# KiCad board labathome_pcb15.kicad_pcb (continued)
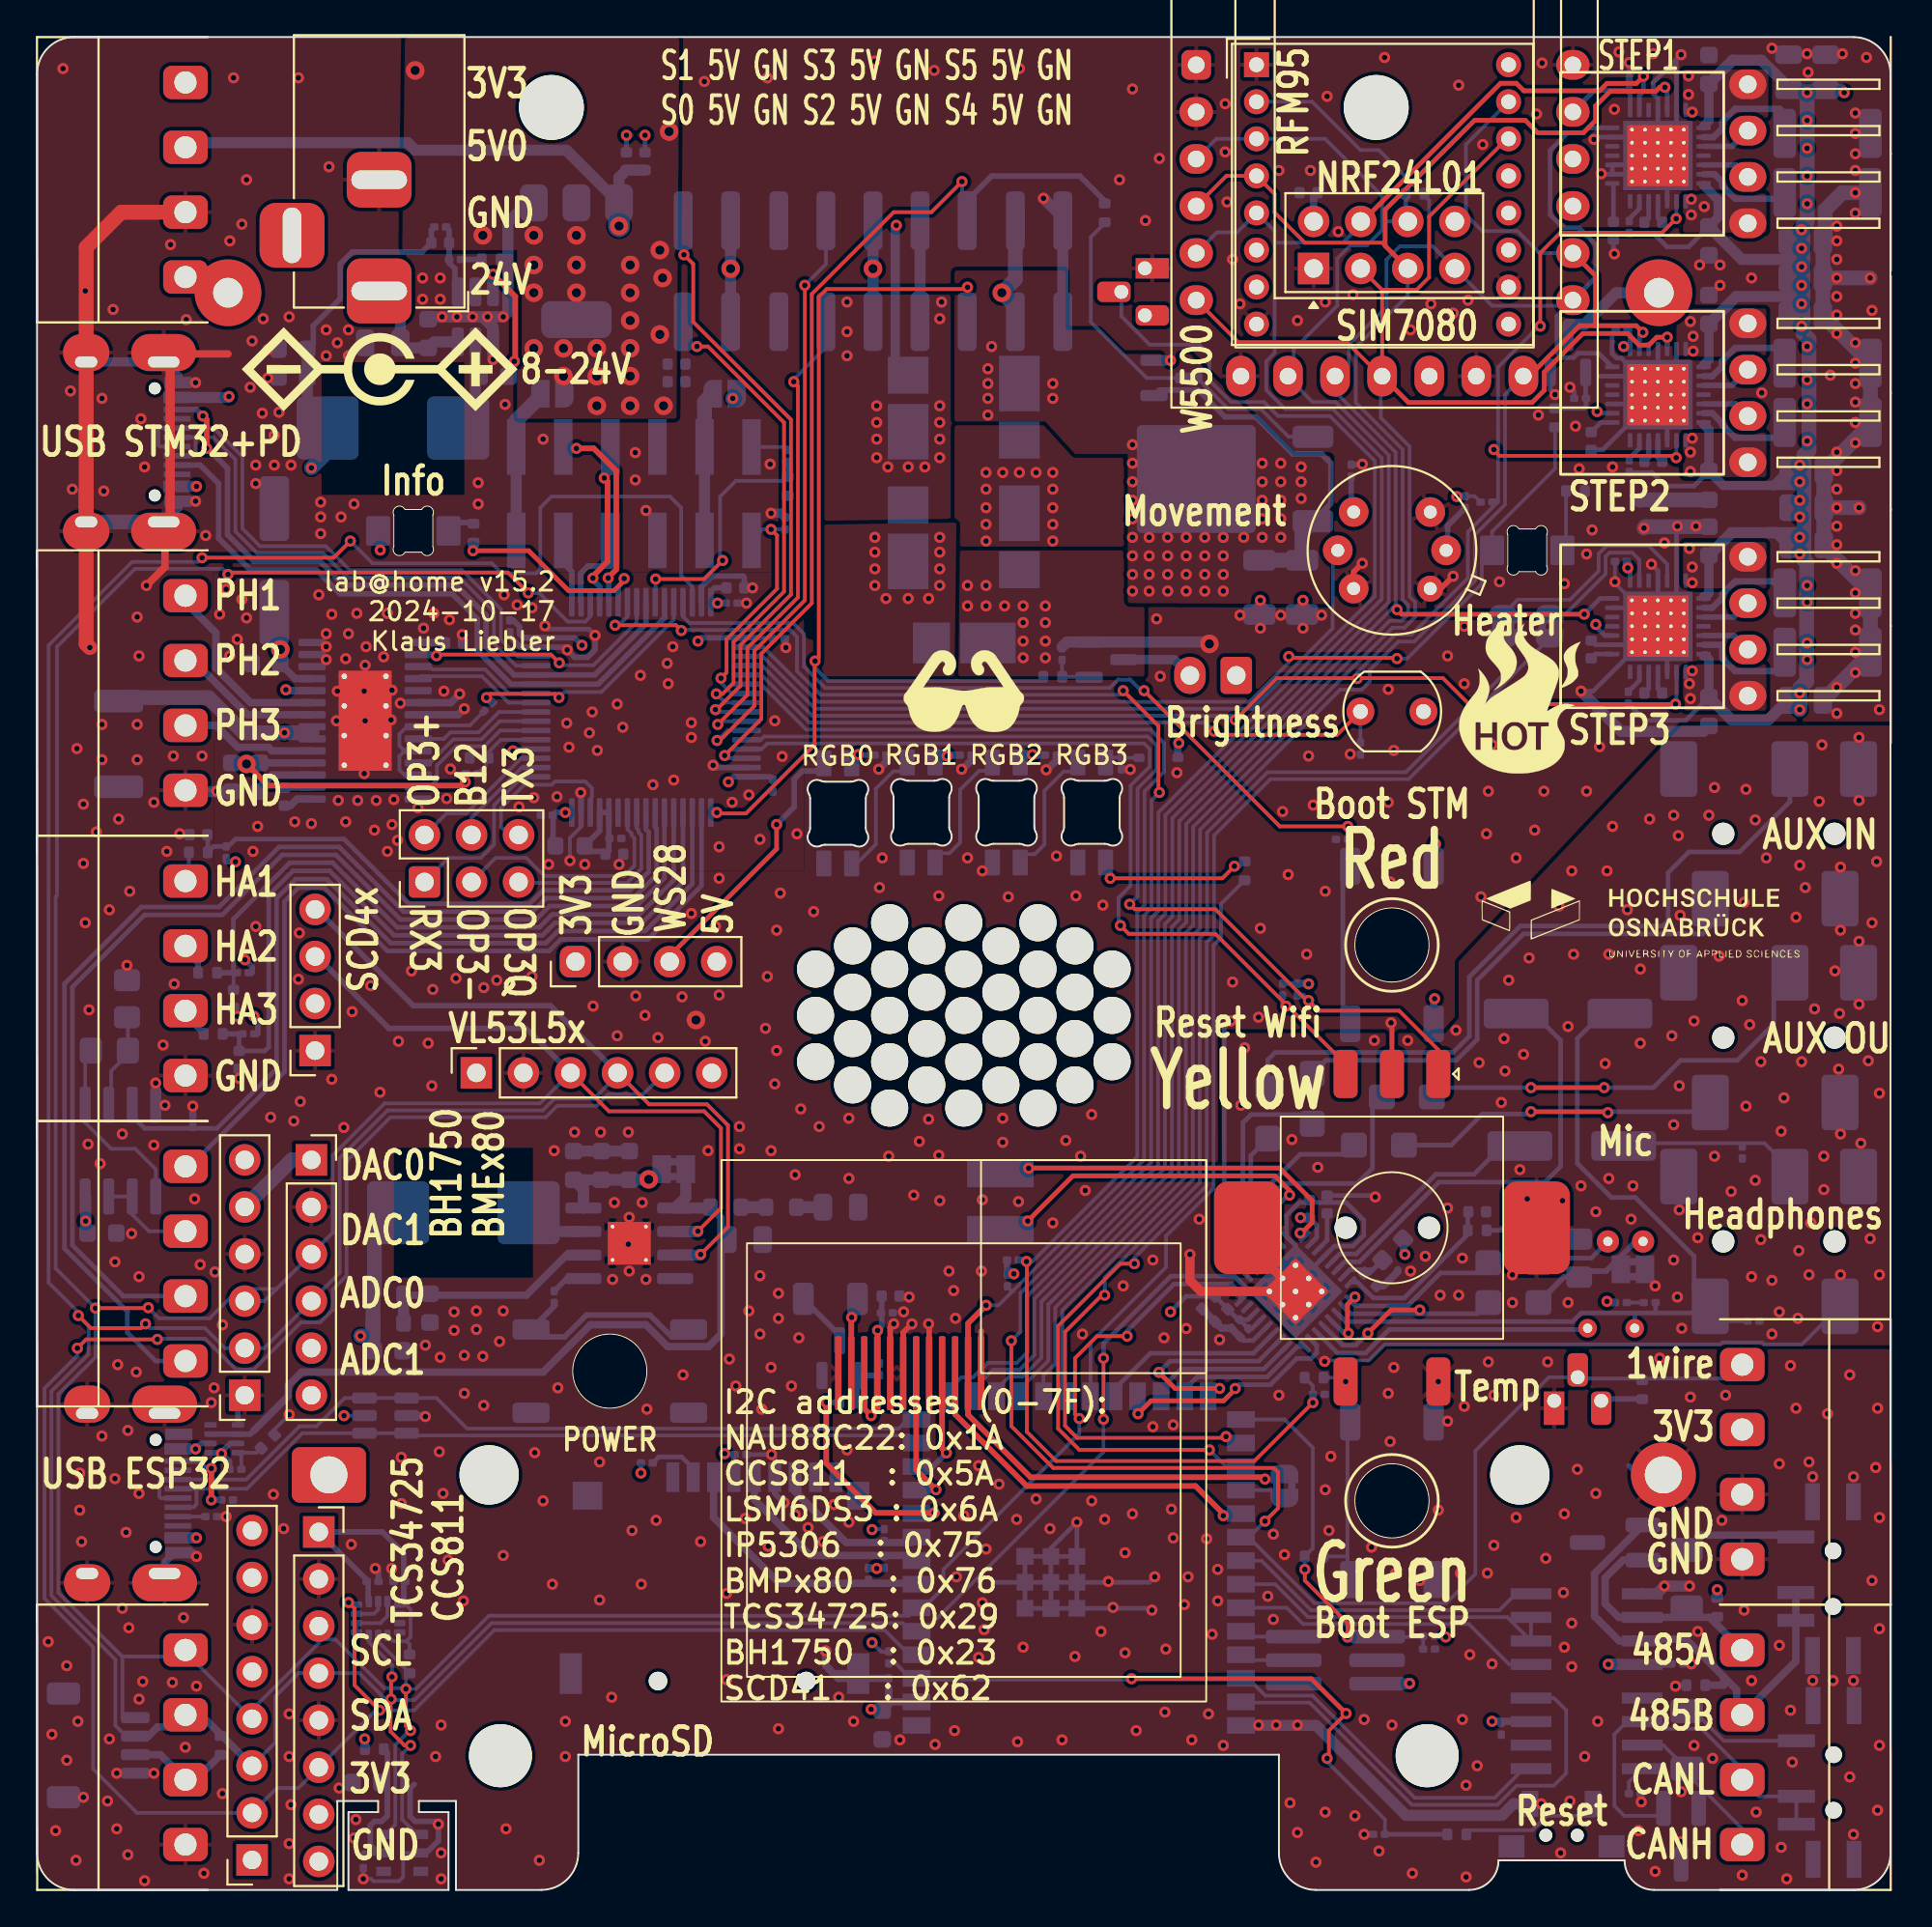
[diagram p0: board, top side]
## Routing (per net, layer and track width the routed paths; a pad name or vN(x,y) marks a point on that pad's centre or on a via; arc(x,y) is an arc through that point) (continued)
485_DE: length 18.2
  Bottom w0.2: U1.3 U1.2 79.31,14.72 68.57,14.72 66.8,16.5 U4.34
485_DI: length 16.3
  Bottom w0.2: U4.33 66.06,17.77 68.73,15.1 78.9,15.1 79.78,15.98
485_RO: length 16.1
  Bottom w0.2: 79.83,12.17 79.43,12.17 77.25,14.35 68.3,14.35 67.42,15.23 U4.35
/actors/D9_COOL:
  vias: v1(51.3,82.1) v1(51.3,81.3) v1(51.3,80.5) v1(51.3,79.6) v1(51.5,83.3) v1(54.8,81.3) v1(54.8,80.5) v1(59.1,78) v1(59.1,77) v1(59.1,76) v1(59.1,75) v1(59.1,74) v1(59.1,73) v1(59.1,72) v1(59.1,71) v1(59.1,70.1) v1(60,73) v1(60,72) v1(60,71) v1(60,70.1) v1(61,73) v1(61,72) v1(61,71) v1(61,70.1) v1(62,73) v1(62,72) v1(62,71) v1(62,70.1) v1(63,73) v1(63,72) v1(63,71) v1(63,70.1) v1(64,73) v1(64,72) v1(64,71) v1(64,70.1) v1(65.1,73) v1(66.1,77) v1(66.1,76) v1(66.1,75) v1(66.1,74) v1(66.1,73) v1(67.1,77) v1(67.1,76) v1(67.1,75) v1(67.1,74) v1(67.1,73) v1(68.2,76.8) v1(68.2,76) v1(68.2,75.1)
/actors/D10_COOL:
  vias: v1(45.2,73) v1(45.2,72.2) v1(45.2,71.3) v1(45.2,70.4) v1(45.8,69.7) v1(47,69.7) v1(48.1,69.7) v1(48.7,73) v1(48.7,72.2) v1(48.7,71.3) v1(48.7,70.4)
/actors/D11_COOL:
  vias: v1(50.2,70.4) v1(50.2,69.3) v1(51.2,70.4) v1(51.2,69.3) v1(52.2,69.3) v1(53.2,69.3) v1(53.2,68.4) v1(53.2,67.4) v1(53.2,66.5) v1(54.4,69.3) v1(54.4,68.4) v1(54.4,67.4) v1(54.4,66.5)
/actors/D12_COOL:
  vias: v1(43.7,85.7) v1(43.7,84.1) v1(43.7,82.8) v1(45.3,80.1) v1(45.3,79.2) v1(45.3,78.3) v1(45.3,77.3) v1(45.9,76.8) v1(47,76.8) v1(47.9,76.8) v1(48.7,84.8) v1(48.7,80.1) v1(48.7,79.2) v1(48.7,78.3) v1(48.7,77.3) v1(48.8,85.7)
/actors/D13_COOL:
  vias: v1(51.2,76.5) v1(51.2,75.6) v1(51.2,74.6) v1(51.2,73.7) v1(51.2,72.8) v1(52.1,76.5) v1(53,76.5) v1(53.9,76.5) v1(54.8,76.5) v1(54.8,75.6) v1(54.8,74.6) v1(54.8,73.7) v1(54.8,72.8)
/audioamplifier/JACK_DETECT: length 41.6
  Bottom w0.2: R27.1 91.07,30.7
  Bottom w0.25: 86.2,31.14 83.31,31.14 82.85,30.67 70.59,30.67 U10.3 ; 86.2,31.14 86.19,31.14 TP1.1 ; 86.2,31.14 87.3,31.14 ; 87.3,31.14 89.91,31.14 ; 87.3,31.14 87.32,31.16 R25.2 ; 84.45,47.3 83.1,45.95 83.1,39.22 84.94,37.38 86.22,37.38 89.4,34.2 89.4,32.38
/psu/BOOT: length 7.1
  Top w0.3: v1(24.6,87.2) 25.8,86 25.8,82.55 v1(25.75,82.5)
  Bottom w0.3: v1(25.75,82.5) 25.75,82.03 25.42,81.7 ; v1(24.6,87.2) U27.6
/psu/FB: length 3.5
  Bottom w0.3: 22.55,86.4 22.55,87.49 22.23,87.81 R60.2 C82.1 22.23,89.59 R59.2
/psu/SW: length 3.7
  Bottom w0.6: U27.2 23.65,79.83
ADC0: length 62
  Bottom w0.25: J27.3 4.65,32.05 1.91,34.8 1.91,48.73 5.8,52.62 9.99,52.62 13.23,55.86 16.12,55.86 19.61,52.38 26.92,52.38 27.65,53.1 32.35,53.1 33.85,54.6 U5.22
ADC1: length 64.7
  Bottom w0.25: J27.4 6.4,28.55 4.88,30.07 4.88,31.22 1.48,34.62 1.48,48.9 5.63,53.05 9.82,53.05 13.06,56.29 16.3,56.29 19.79,52.8 26.74,52.8 27.47,53.53 32.17,53.53 33.43,54.78 33.43,57.27 33.35,57.34 U5.23
BL_DRV1: length 7.5
  Bottom w0.2: 21.18,59.53 21.58,59.92 21.58,60.69 22.61,61.72 24.14,61.72 24.99,62.58 U5.38
BL_DRV2: length 6.7
  Bottom w0.2: 21.18,60.83 22.46,62.1 23.98,62.1 24.96,63.08 U5.39
BL_DRV3: length 7
  Bottom w0.2: U5.40 24.92,63.58 23.83,62.47 22.3,62.47 21.95,62.12 U3.23
BL_ENABLE: length 8.4
  Bottom w0.2: 19.83,61.47 19.55,61.2 19.55,60.45 19.83,60.17 U3.26 ; 19.83,61.47 19.55,61.75 19.55,62.38 19.94,62.78 ; 19.83,61.47 U3.24 ; R63.2 23.35,62.85 20.64,62.85
BL_ENABLEx: length 13.3
  Top w0.2: v1(24.25,64.35) 24.45,64.55 27.96,64.55 v1(28.16,64.36)
  Bottom w0.2: v1(24.25,64.35) 24.53,64.08 ; U5.60 34.35,68.56 30.44,64.65 28.45,64.65 v1(28.16,64.36)
BL_FAULT: length 7
  Bottom w0.2: U5.41 25.44,64.08 24.01,65.5 20.69,65.5 U3.18
BL_HALL1: length 30.4
  Bottom w0.25: 10.25,56.27 10.7,56.72 16.56,56.72 20.05,53.22 26.57,53.22 27.29,53.95 32,53.95 33,54.95 33,57.09 32.85,57.24 U5.24 ; R17.2 9.53,56.32 R16.2 9.21,56.92
BL_HALL2: length 35.9
  Bottom w0.2: C9.1 10.6,49.49
  Bottom w0.25: U5.21 34.35,54.5 32.5,52.65 27.8,52.65 27.1,51.95 19.43,51.95 15.94,55.44 13.64,55.44 10.59,52.39 10.59,49.5
  Bottom w0.3: R14.2 10.59,49.5
BL_HALL3: length 40.9
  Bottom w0.25: 10.9,46.19 C10.1 12.28,45.28 12.5,45.5 12.5,53.7 13.8,55 15.78,55 19.26,51.53 27.27,51.53 27.95,52.2 32.65,52.2 34.85,54.4 U5.20
  Bottom w0.3: R10.2 10.89,46.2
BL_ISENSE: length 29.5
  In2.Cu w0.2: v1(25.67,61.47) 25.56,61.59 14.21,61.59 v1(13.35,62.45)
  In2.Cu w0.6: v1(13.35,62.45) 13.35,64.7 v1(13.42,64.78)
  Bottom w0.2: U5.36 25.77,61.58 v1(25.67,61.47)
  Bottom w0.4: 14.84,62.78 U3.6 ; v1(13.42,64.78) 13.47,64.72 U3.10
  Bottom w0.8: 4.61,64.35 9.25,64.35 11.15,62.45 v1(13.35,62.45) 14.84,62.45
BL_RESET: length 14.1
  Top w0.2: v1(28.17,66.22) 27.72,66.67 21.61,66.67 v1(21.55,66.61)
  Bottom w0.2: U3.16 21.49,66.67 v1(21.55,66.61) ; U5.56 32.35,68.43 30.02,66.1 28.3,66.1 v1(28.17,66.22)
BL_SLEEP: length 6.3
  Bottom w0.2: U5.42 25.47,64.58 24.17,65.88 21.33,65.88 21.18,66.03
BRIGHTNESS: length 36.6
  Top w0.2: v1(63.51,62.53) 63.7,62.34 70.14,62.34 71.35,63.55
  Bottom w0.2: U5.5 39.08,65.58 40.44,64.21 40.45,64.21 41.66,63 63.04,63 v1(63.51,62.53) ; R11.1 R32.2
BTN_GRN: length 20.5
  Top w0.2: v1(70.7,13.65) 70.7,14.4 68.4,16.7 v1(68.4,17.3)
  Bottom w0.2: v1(70.7,13.65) 70.72,13.67 J6.6 ; 74.73,13.65 72.37,13.65 ; U4.27 67.31,25.39 68.83,23.87 68.83,18.44 R40.1 68.39,17.31 v1(68.4,17.3) ; C53.2 R41.2
BTN_RED: length 52.4
  Top w0.2: v1(70.72,57.4) 67.05,57.4 v1(59.72,64.72)
  Bottom w0.2: v1(70.72,57.4) R39.1 ; v1(59.72,64.72) 59.57,64.72 58.97,65.33 58.32,65.33 57.88,64.88 42.53,64.88 41.38,66.03 41.38,67.79 40.79,68.38 35.2,68.38 34.85,68.73 U5.61
  Bottom w0.25: 70.45,47.15 70.45,54.85 ; R39.1 70.82,56.6 70.82,55.48
BTN_YEL: length 83.6
  Top w0.2: v1(53.38,33.92) 53.4,33.9 53.4,24.73 54.98,23.15 65.68,23.15 v1(68.83,26.3)
  Bottom w0.2: v1(53.38,33.92) 53.7,33.92 59.35,39.57 59.35,52.76 59.75,53.15 59.75,59.29 60.8,60.34 60.8,61.9 60.07,62.62 41.5,62.62 39.05,65.08 U5.6 ; R66.2 68.83,27.21 C40.2 v1(68.83,26.3)
  Bottom w0.3: v1(53.38,33.92) 53.3,34 R67.2
CAN_RX: length 25.1
  Bottom w0.2: 64.99,10.11 68.66,10.11 74.17,4.6 78.8,4.6 79.82,5.62 81.82,5.62 82.5,6.3 82.5,9.7 81.84,10.35 81.54,10.35
CAN_TX: length 18.1
  Bottom w0.2: 65.4,11.35 66.26,10.49 68.81,10.49 74.32,4.97 78.64,4.97 80.21,6.54
CANH: length 8
  Bottom w0.2: U7.7 87.74,7.81 R46.2 ; J15.1 92,3.3 89,6.3
CANL: length 18.2
  Bottom w0.2: 87.51,9.09 87.9,8.7 89.8,8.7 92,6.5 ; D3.1 87.35,4 85.64,4 85.1,4.54 85.1,8.4 85.78,9.09 ; SW3.3 SW3.2 92.9,5.05 J15.2
DAC0: length 46
  Bottom w0.25: 8.25,39.05 13.35,44.15 13.35,53.35 14.1,54.09 15.49,54.09 18.91,50.67 27.62,50.67 28.25,51.3 32.95,51.3 35.85,54.2 U5.18
DAC1: length 48.1
  Bottom w0.25: 5.14,41.77 5.8,41.1 9.7,41.1 12.92,44.33 12.92,53.52 13.95,54.55 15.63,54.55 19.08,51.1 27.45,51.1 28.1,51.75 32.8,51.75 35.35,54.3 U5.19
DAC1x: length 5.5
  Bottom w0.2: J27.2 6.04,35.55 5.14,36.45 5.14,37.42 3.86,37.42
EXT_CLK: length 111
  Top w0.2: U15.5 72.57,88.9 68.4,88.9 66.77,90.53 66.77,91.53 U6.4 64.17,92.51 M1.4
  Top w0.25: v1(87.83,97.29) 87.55,97.29 87.33,97.08 84.88,97.08 84.09,96.28 84.09,95.49 83.43,94.84 80.97,94.84 80.29,95.51 77.56,95.51 72.73,90.68 72.73,88.73 U15.5
  Bottom w0.2: 53.03,27.03 54.56,28.56 54.56,31.59 ; 54.96,31.99 54.56,31.59 ; 54.96,31.99 54.56,31.59 ; 54.96,31.99 61.6,38.64 61.6,51.82 62,52.22 62,57.53 72.1,67.63 72.11,67.63 72.97,68.5 73.62,68.5 73.97,68.85 73.97,69.35 73.68,69.64 73.68,77.75 71.15,80.27 71.15,83.25 73.96,86.06 U15.5
  Bottom w0.25: v1(87.83,97.29) 87.95,97.17 U14.19
EXT_CS: length 108.9
  Top w0.25: v1(86.67,97.88) 86.29,97.5 84.7,97.5 84.3,97.1 80.21,97.1 79.81,97.51 78.96,97.51 71.5,90.05
  Bottom w0.2: 71.41,89.87 70.45,88.9 66.87,88.9 66.77,89 ; 66.77,89 66.77,89.53 U6.5 64.74,89.46 63.66,89.46 M1.5 ; 66.77,89 66.77,82.95 66.32,82.5 66.32,80.94 67.34,79.92 69.91,79.92 72.55,77.28 72.55,69.67 71.64,68.76 71.63,68.76 60.88,58 60.88,52.69 60.48,52.29 60.48,39.1 53.44,32.06 53.44,29.03 52.86,28.45 51.28,28.45 50.5,27.67 49.87,27.67 49.32,27.12
  Bottom w0.25: v1(86.67,97.88) 86.67,97.06 86.45,96.84 U14.16
EXT_IO1: length 113.7
  Top w0.2: X3.4 72.57,86.36 72.56,86.36 ; 79.3,94.51 75.1,90.31 75.1,87.03 74.43,86.36 72.56,86.36 ; 72.5,81.7 70.67,83.53 64.81,83.53 M1.6 ; 72.56,86.36 U15.3
  Top w0.25: v1(87.95,83.8) 87.38,83.8 86.96,83.38 86.44,83.38 85.82,84 83.4,84 81.31,81.92 81.31,80.93 80.66,80.28 74,80.28 X3.4
  Bottom w0.2: 72.5,81.7 72.5,79.45 74.05,77.9 74.05,69.8 74.35,69.5 74.35,68.69 73.78,68.12 73.13,68.12 72.26,67.26 72.26,67.26 62.38,57.38 62.38,52.06 61.98,51.67 61.98,38.48 54.94,31.44 54.94,28.41 54.29,27.76 U4.19
  Bottom w0.25: v1(87.95,83.8) U19.19
EXT_IO2: length 92.8
  Top w0.25: 84,84.42 84.09,84.51 84.09,87.12 M1.8 ; 84,84.42 83.22,84.42 80.5,81.7 ; 84,84.42 86.28,84.42 v1(86.64,84.06)
  Bottom w0.2: X3.7 79.2,80.71 79.2,74.77 77.57,73.14 77.57,70.64 74.3,67.37 73.44,67.37 71.9,65.83 71.9,65.21 71.47,64.78 70.3,64.78 62.75,57.22 62.75,51.91 62.35,51.51 62.35,38.33 55.31,31.28 55.31,26.89 ; U6.15 77.09,94.2 77.09,90.41 77.97,89.53 79.87,89.53 81.06,88.34 M1.8
  Bottom w0.25: U19.16 86.45,83.88 v1(86.64,84.06)
EXT_MISO: length 133.2
  Top w0.25: v1(73.37,69.1) 73.62,68.85 v1(83.47,68.85)
  Bottom w0.2: 82.56,85.5 78.51,85.5 U15.7 75.34,88.66 ; 73.3,69.55 73.3,77.59 70.22,80.67 70.11,80.67 70.11,81.7 ; 73.3,69.55 73.3,69.17 v1(73.37,69.1) ; 73.3,69.55 73.3,69.36 71.95,68.01 71.95,68.01 61.62,57.69 61.62,52.37 61.23,51.98 61.23,38.79 54.37,31.93 ; 75,88.71 73.53,88.71 72.81,87.99 72.81,85.44 70.78,83.41 70.78,82.22 70.25,81.7 ; 75,88.71 75.1,88.81 75.1,91.19 72.39,93.9 71.4,93.9 68.79,96.51 U6.2 ; 75,88.71 75.29,88.71 76.44,87.56 ; 54.19,31.75 54.37,31.93 ; 54.19,31.75 54.37,31.93 ; 54.19,31.75 54.19,28.72 53.17,27.7 52.45,27.7 51.75,27
  Bottom w0.25: U19.14 84.25,82.94 83.14,82.94 82.9,82.7 82.3,82.7 82,83 82,84.94 M1.7 84.09,87.03 84.09,88.81 83.19,89.7 82.35,89.7 81.63,90.41 81.63,93.89 82.58,94.84 83.43,94.84 83.69,95.1 U14.14 ; U20.14 84.32,69.7 v1(83.47,68.85)
EXT_MOSI: length 94.4
  Bottom w0.2: 67.42,81.7 68.82,80.3 70.06,80.3 72.93,77.44 72.93,69.51 71.8,68.38 71.79,68.38 61.25,57.84 61.25,52.53 60.85,52.13 60.85,38.95 53.81,31.9 53.81,28.87 53.01,28.08 51.57,28.08 50.62,27.12 ; 72.56,90.1 72.56,91.44 69.49,94.51 63.63,94.51 M1.3 ; 72.56,90.1 72.56,89.57 71.74,88.75 70.85,88.75 70.15,88.05 70.15,85.5 67.8,83.15 67.8,81.7 ; 72.56,90.1 72.61,90.05 U15.6
  Bottom w0.25: R22.1 73.84,90.17
FAN_DRIVE: length 54.6
  Top w0.2: v1(36.68,58.15) 36.72,58.1 38.25,58.1 41.95,61.8 41.95,66.3 v1(41.97,66.32) 42.18,66.52 42.18,85.97 42.6,86.4 50.1,86.4 v1(50.2,86.5)
  Bottom w0.2: v1(41.97,66.32) 41.97,65.96 42.68,65.25 54.06,65.25 R35.2 ; U5.17 v1(36.68,58.15) ; v1(50.2,86.5) 50.2,84.66
HEATER: length 54.6
  Top w0.2: v1(73.37,66.46) 73.33,66.5 67.6,66.5 v1(67.53,66.57)
  Bottom w0.2: v1(73.37,66.46) 73.92,66.46 77.95,70.49 77.95,71.75 D14.2 ; D14.2 78.5,73.31 81.9,76.71 R30.2 ; D14.2 78.5,71.62 ; v1(67.53,66.57) 67.53,66.25 65.41,64.12 42.13,64.12 39.18,67.08 U5.2
HEATER_SW: length 6.3
  Bottom w0.6: R33.2 85.2,86.2 83.5,84.5 82.6,84.5 Q2.3
I2C_IRQ: length 124.7
  Top w0.2: v1(18.47,9.7) 17.12,11.05 17.12,15.2 v1(16.81,15.51) ; v1(2.17,29.24) 2.65,29.71 v1(6.49,29.71)
  Bottom w0.2: 15.2,6.6 14.1,5.5 12.94,5.5 J12.2 5.39,4.16 3.03,6.53 3.03,13.11 0.4,15.73 0.4,27.07 2.17,28.84 v1(2.17,29.24) ; v1(16.81,15.51) 16.92,15.4 U9.4 ; v1(6.49,29.71) 6.53,29.75 9.07,29.75 9.5,29.32 9.5,29.31 10.72,28.09 11.69,28.09 14.23,30.63 15.28,30.63 15.95,31.3 15.95,32.4 16.7,33.15 16.7,39.34 19.06,41.7 27.44,41.7 28.07,42.33 30.2,42.33 30.82,42.95 32.71,42.95 J23.5 ; 47.06,12.69 45.72,14.03 24.67,14.03 20.34,9.7 v1(18.47,9.7) 18.28,9.7 J20.6
I2S_ADC: length 7.5
  Bottom w0.25: 60.77,27.17 61.72,28.11 66.19,28.11 U10.9
I2S_BCLK: length 7.3
  Bottom w0.25: 62.01,27.11 62.59,27.69 66.37,27.69 68.01,29.33 U10.8
I2S_DAC: length 11.7
  Top w0.25: v1(63.8,27.06) 61.4,27.06 v1(60.53,27.94)
  Bottom w0.25: v1(63.8,27.06) 63.61,27.06 U4.26 ; v1(60.53,27.94) 61.13,28.54 65.91,28.54 U10.10
I2S_FS: length 12.8
  Top w0.25: v1(59.4,25.7) 60.1,26.4 64.02,26.4 64.64,27.02 v1(64.64,27.06)
  Bottom w0.25: v1(64.64,27.06) 64.84,27.27 66.54,27.27 67.96,28.68 68.74,28.68 69.04,28.99 69.04,29.39 U10.7 ; v1(59.4,25.7) 59.4,26.61
I2S_MCLK: length 9.6
  Bottom w0.25: U10.11 65.63,28.97 60.06,28.97 58.27,27.17
LCD_BACKLIGHT: length 11.9
  Top w0.3: v1(42.58,26.32) 42.58,23.02 45.25,20.35 v1(48.4,20.35)
  Bottom w0.3: v1(48.4,20.35) 47.49,20.35 ; R74.2 42.6,26.3 v1(42.58,26.32)
LCD_CLK: length 6.3
  Top w0.3: v1(49.06,23.59) 48.83,23.82 X2.9
  Bottom w0.3: v1(49.06,23.59) 48.32,22.85 U4.12
LCD_DAT: length 20
  Top w0.3: v1(64,20.2) 64,20.3 62.5,21.8 53.4,21.8 49.53,25.67 X2.10
  Bottom w0.2: 64.94,20.3 64.1,20.3 v1(64,20.2)
LCD_DC: length 8.8
  Top w0.3: v1(48.5,21.6) 47.43,22.67 X2.7
  Bottom w0.2: v1(48.5,21.6) 47.47,21.6
  Bottom w0.3: U4.11 48.48,21.58 v1(48.5,21.6)
LCD_RES: length 95.4
  Top w0.2: v1(34.76,67.97) 34.47,68.26 v1(31.19,68.26) ; v1(58.6,64.72) 60.5,62.83 60.5,59.28 v1(60.55,59.23)
  Top w0.3: v1(66.25,22.17) 66.15,22.28 53.6,22.28 50.23,25.64 X2.11 50.23,30.58 v1(51.2,31.55)
  Bottom w0.2: v1(58.6,64.72) 58.38,64.5 42.29,64.5 41,65.79 41,67.63 40.63,68 34.79,68 v1(34.76,67.97) ; 52.35,32.55 52.61,32.29 ; 52.61,32.29 52.69,32.37 52.69,32.37 59.73,39.41 59.73,52.6 60.12,53 60.12,58.81 v1(60.55,59.23) ; 52.61,32.29 51.87,31.55 v1(51.2,31.55) ; U5.55 31.85,68.73 31.38,68.26 v1(31.19,68.26) ; v1(66.25,22.17) 67.43,22.17
LED_INFO: length 10.8
  Top w0.25: v1(23.52,72.28) 26.52,72.28 28.68,70.12 31.12,70.12 31.68,70.67 v1(31.68,70.78)
  Bottom w0.25: v1(31.68,70.78) 31.68,70.63 31.35,70.31 U5.54
LED_RGB: length 31.3
  Bottom w0.2: R70.2 63.88,53.22 63.88,51.39 63.48,50.99 63.48,37.86 60.91,35.29 60.91,33.61 56.84,29.53 56.84,26.64
LED_WHITE_P: length 49.8
  Top w0.2: v1(37.1,61.22) 39.07,63.2 39.07,66.72 41.8,69.45 41.8,86.13 46.22,90.55 48.25,90.55 v1(49.9,92.2)
  Bottom w0.2: U5.14 37.25,61.08 v1(37.1,61.22) ; v1(49.9,92.2) 49.91,92.19 49.91,89.82
  Bottom w0.3: R12.2 57.6,91.16 56.26,92.5 51.5,92.5 50.18,91.18
MOVE: length 38.5
  Bottom w0.2: U5.3 39.15,66.58 41.97,63.75 65.57,63.75 69.9,68.08 69.9,72.02
OPAMP3+: length 7.4
  Bottom w0.2: 21.18,57.19 22.09,58.1 23.15,58.1 26.12,61.08 U5.35
OPAMP3-: length 13
  Bottom w0.2: U5.26 31.85,57.24 32.07,57.02 32.07,56.92 32.22,56.77 32.22,55.28 31.68,54.72 27.38,54.72 26.4,55.7 24.74,55.7 J34.3
OPAMP3Q: length 9.9
  Bottom w0.2: 26.11,54.35 31.83,54.35 32.6,55.12 32.6,56.93 32.45,57.08 32.45,57.2 32.35,57.3 U5.25
PB12: length 5.5
  Bottom w0.2: U5.34 26.15,60.58 23.44,57.86 J34.4
PROG_EN: length 39.3
  Top w0.2: v1(70.62,9.52) 69.7,8.6 69.7,7.2 v1(69.6,7.1)
  Top w0.25: v1(70.62,9.52) 68.75,11.4 v1(59.05,11.4)
  Bottom w0.2: 47.13,11.42 46.32,12.23 R2.1 ; v1(69.6,7.1) 69.6,6.92 72.72,3.8 C5.1
  Bottom w0.25: R1.2 C5.1 ; v1(70.62,9.52) 69.02,11.13
  Bottom w0.3: v1(59.05,11.4) 47.47,11.4
PROG_RX: length 2.6
  Bottom w0.2: J6.5 65.24,13.67
PROG_TX: length 2.6
  Bottom w0.2: J6.3 65.24,12.4
ROT_A: length 53.5
  Top w0.2: v1(58.95,53.2) 59.22,52.93 63.57,52.93 68.5,48 v1(68.6,48) 69.15,47.45 73.49,47.45 75.6,45.34 SW6.A
  Bottom w0.2: v1(58.95,53.2) 59.38,53.62 59.38,59.44 60.4,60.47 60.4,61.77 59.92,62.25 39.22,62.25 39.05,62.08 U5.12
  Bottom w0.25: v1(68.6,48) 68.32,48.28 R36.1
ROT_B: length 48.2
  Top w0.2: v1(58.45,52.05) 58.9,51.6 63.57,51.6 70.6,44.57
  Bottom w0.2: U5.13 39.1,61.58 39.4,61.88 59.72,61.88 60.03,61.58 60.03,60.62 59,59.6 59,54.2 58.35,53.55 58.35,52.15 v1(58.45,52.05)
  Bottom w0.25: R37.2 67.2,47.88 v1(67.38,47.7)
RS485A: length 12.3
  Bottom w0.4: J15.4 90.24,14.71 85.34,14.71 84.6,15.45 84.6,16.84 85.56,17.8 D2.2
RS485B: length 25.6
  Bottom w0.4: D2.1 84.03,17.07 84.03,14.78 85.36,13.44 86.5,13.44 ; R5.1 91,11.05 91,11.5 ; J15.3 94.89,12.34 SW2.3 SW2.2 ; 91.7,10.1 91.7,10.8 91,11.5 ; 91,11.5 88.97,13.53 86.19,13.53
SCL: length 255.1
  Top w0.2: J23.3 30.85,42.03 35.99,42.03 36.9,41.11 36.9,36.8 v1(35.65,35.55) ; v1(20.15,8.6) 19.9,8.85 v1(19.9,10.85) ; v1(10.3,71) 10.4,71.1 25.4,71.1 v1(26.5,70) ; v1(58.81,29.89) 57.19,29.89 56,28.7 56,25.67 v1(56.23,25.44) ; v1(3.15,31.4) 5.97,31.4 v1(6,31.42)
  Bottom w0.2: 12.92,32.44 J10.3 15.95,35.47 15.95,39.65 18.75,42.45 27.13,42.45 J23.3 ; 12.92,32.44 12.26,31.78 J19.3 ; 12.92,32.44 10.9,32.44 9.31,30.85 6.58,30.85 v1(6,31.42) ; U4.6 47.02,14.8 24.38,14.8 20.43,10.85 v1(19.9,10.85) ; 7.66,12.6 4.59,12.6 3.87,13.32 ; v1(20.15,8.6) 20.1,8.6 19.33,7.82 19.33,3.53 18.8,3 ; 3.87,13.32 3.77,13.42 4.6,12.59 4.6,9.3 J11.4 ; 3.87,13.32 1.15,16.04 1.15,26.76 2.57,28.18 2.58,28.18 3.15,28.75 v1(3.15,31.4) 1,33.55 1,53.6 1.08,53.67 1.08,67.09 5.28,71.3 10,71.3 v1(10.3,71) ; 11.6,9.73 15.2,13.33 J20.3 ; v1(56.23,25.44) 56.23,24.63 48.9,17.3 48.9,16.3 48.75,16.15 ; U9.13 18.4,13.41 19.9,11.91 v1(19.9,10.85) ; 48.75,16.15 47.83,15.23 ; 48.75,16.15 48.08,15.48 ; v1(19.9,10.85) 19.85,10.9 18.72,10.9 16.11,13.51 15.2,13.51 ; U5.51 29.85,68.73 29.57,68.45 28.63,68.45 27.08,70 v1(26.5,70) ; J12.4 8,12.84
  Bottom w0.25: v1(58.81,29.89) 58.81,30.17 61.34,32.7 64.42,32.7 64.93,32.19 U10.16
  Bottom w0.3: J23.3 26.38,46.5 18.98,46.5 15.1,50.38
  Bottom w0.6: U2.2 35.63,35.53 v1(35.65,35.55)
SDA: length 274.2
  Top w0.2: J23.4 33.02,42.4 36.14,42.4 37.28,41.27 37.28,35.78 v1(35.8,34.3) ; v1(2.22,31) 2.9,30.33 5.62,30.33 v1(5.85,30.55) ; v1(19.15,11.5) 19.1,11.45 v1(19.1,10.3) 19.08,10.28 19.08,8.55 19.83,7.8 v1(20.15,7.8) ; v1(57.54,25.4) v1(57.54,28.7) ; v1(8.9,71.9) 16,71.9 v1(16.9,72.8)
  Bottom w0.2: 20.5,3 19.7,3.8 19.7,7.35 v1(20.15,7.8) ; 18.42,10.67 18.79,10.3 v1(19.1,10.3) ; 18.42,10.67 17.39,11.7 J20.4 14.1,11.7 12.85,10.45 12.85,7.95 J12.3 ; 18.42,10.67 18.84,10.25 20.36,10.25 24.51,14.4 46.71,14.4 47.29,13.81 ; v1(5.85,30.55) 6.08,30.33 9.05,30.33 10.13,29.24 J19.2 12.26,29.24 J10.4 16.33,33.31 16.33,39.49 18.91,42.08 27.29,42.08 27.91,42.7 30.04,42.7 31.32,43.98 ; v1(57.54,25.4) 57.54,23.64 47.86,13.96 ; v1(16.9,72.8) 18.1,71.6 24.53,71.6 25.08,71.06 26.92,71.06 27.15,71.28 27.15,74.6 27.75,75.2 34.15,75.2 34.75,74.6 34.75,70.94 35.35,70.34 U5.62 ; v1(19.15,11.5) 19.15,12.13 17.9,13.38 U9.14 ; v1(8.9,71.9) 8.67,71.67 5.12,71.67 0.62,67.17 0.62,32.77 2.22,31.17 v1(2.22,31) 2.78,30.45 2.78,28.91 2.42,28.56 2.42,28.56 0.78,26.91 0.78,15.89 4.22,12.44 4.22,8.88 4.8,8.3
  Bottom w0.25: v1(57.54,28.7) 57.54,29.5 61.17,33.13 64.6,33.13 U10.17
  Bottom w0.3: J23.4 27.69,47.72 20.3,47.72 15.1,52.92
  Bottom w0.4: J11.3 6,8.3 6.5,8.8 7.36,8.8 ; J12.3 8.85,9.45
  Bottom w0.6: U2.3 35.76,34.27 v1(35.8,34.3)
Servo0: length 25.3
  Top w0.2: v1(35.6,83.3) 36.2,83.3 40.3,79.2 40.3,70.07 37.57,67.34 37.57,65.14 36.98,64.55 v1(36.65,64.55)
  Bottom w0.2: 34.86,83.34 35.56,83.34 v1(35.6,83.3) ; v1(36.65,64.55) 37.12,64.08 U5.8
Servo1: length 30.4
  Top w0.2: v1(34.9,88.25) 35.4,87.75 35.4,84.63 40.68,79.35 40.68,69.91 37.95,67.19 37.95,64.99 36.66,63.7 v1(36.6,63.7)
  Bottom w0.2: U5.9 36.72,63.58 v1(36.6,63.7)
Servo2: length 24.6
  Top w0.2: v1(36.72,62.9) 38.32,64.5 38.32,67.03 41.05,69.76 41.05,81.17 v1(40.82,81.4)
  Bottom w0.2: v1(40.82,81.4) 40.82,81.53 42.56,83.26 ; v1(36.72,62.9) 36.9,63.08 U5.10
Servo3: length 32.4
  Top w0.2: v1(36.69,62.04) 36.84,62.04 38.7,63.9 38.7,66.88 41.43,69.6 41.43,86.6 v1(41.42,86.6)
  Bottom w0.2: v1(36.69,62.04) 36.71,62.04 37.25,62.58 U5.11 ; v1(41.42,86.6) 42.56,87.74 J26.12
STEPPER_DIR3: length 12.2
  Bottom w0.2: U20.19 87.95,71.55 86.95,72.55 84.69,72.55 84.25,72.11 84.25,71.18 82.7,69.64 79.89,69.64 JP6.2
STEPPER_EN: length 104.2
  Top w0.2: v1(88.43,90.2) 87.68,89.44 82.19,89.44 81.1,88.35 v1(81.1,84.4) ; 71.2,65.4 v1(71.22,65.38) ; 71.2,65.4 66.9,65.4 v1(64.65,63.15) ; 71.2,65.4 71.6,65.4 ; 71.2,65.4 75.85,65.4 77.25,64 v1(88.4,64) ; v1(78.6,77.74) 78.6,77.7 78.9,77.4 88.33,77.4 v1(88.43,77.3)
  Bottom w0.2: U5.4 39.12,66.08 41.82,63.38 64.42,63.38 v1(64.65,63.15) ; v1(78.6,77.74) 78.82,77.96 78.82,78.87 ; v1(88.43,90.2) 88.45,90.21 U14.2 ; 78.82,74.92 77.2,73.3 77.2,70.8 74.15,67.75 73.28,67.75 71.97,66.44 71.96,66.44 71.22,65.7 v1(71.22,65.38) ; 78.82,74.92 78.8,74.9 R29.1 ; 78.82,74.92 78.82,78.87 ; v1(88.43,77.3) 88.45,77.31 U19.2 ; 78.82,78.87 78.82,82.19 81.03,84.4 v1(81.1,84.4) ; v1(88.4,64) 88.45,64.05 U20.2
STEPPER_STEP3: length 8.1
  Bottom w0.2: JP7.2 82.45,68.85 84.62,71.03 84.62,71.96 84.84,72.17 86.06,72.17 86.45,71.78 U20.16
STM32_RESET: length 13.3
  Top w0.2: v1(39.6,73.43) 39.93,73.11 39.93,70.22 37.2,67.5 37.2,65.7 v1(36.9,65.4)
  Bottom w0.2: v1(36.9,65.4) 36.9,65.15 37.47,64.58 U5.7 ; J36.2 39.15,73.43 v1(39.6,73.43) C25.1
SWCLK: length 4.7
  Bottom w0.3: J36.8 30.93,71.46 30.54,71.46 30.54,71.45 29.72,71.45 29.32,71.05 29.32,69.53 U5.50
SWDIO: length 2.3
  Bottom w0.3: 28.39,71.61 28.85,71.15 U5.49
UART3_RX: length 9.6
  Bottom w0.2: 26.9,60.1 26.21,60.1 24.66,58.55 24.66,56.42 23.93,55.7 22.2,55.7 J34.1
UART3_TX: length 8.6
  Bottom w0.2: U5.30 29.85,58.89 29.93,58.97 29.93,59.47 29.58,59.82 27.95,59.82 27.77,59.65 26.29,59.65 25.03,58.39 25.03,57.37 25.46,56.94
UART4_RX: length 11.1
  Top w0.3: v1(30.81,70.81) 30.81,70.83 31.25,71.27 31.25,76.58 30.03,77.8 v1(29.1,77.8)
  Bottom w0.3: J36.9 29.03,77.88 v1(29.1,77.8) 28.76,77.8 28.69,77.88 ; U5.53 30.85,70.77 v1(30.81,70.81)
UART4_TX: length 7.7
  Top w0.3: v1(29.99,70.8) 29.99,70.9 30.78,71.69 30.78,76.03 v1(30.6,76.2)
  Bottom w0.3: v1(29.99,70.8) 29.99,70.71 30.35,70.35 U5.52 ; v1(30.6,76.2) 30.93,76.53
USBM: length 44
  Bottom w0.2: U8.3 U8.4 14.31,24.65 11.31,21.65 J5.A7 8.53,21.65 8.6,21.57 8.6,20.81 8.5,20.71 8.5,20.7 8.45,20.65 J5.B7 ; U4.13 47.04,24.53 20.06,24.53
USBP: length 45
  Bottom w0.2: J5.A6 6.67,21.15 6.6,21.22 6.6,22.08 6.67,22.15 J5.B6 11.28,22.15 14.16,25.03 15.08,25.03 16.6,26.55 U8.6 U8.1 21.55,26.55 23.2,24.9 46.48,24.9 46.97,25.39
USBPD_CC1: length 36.3
  Bottom w0.3: J13.A5 8.8,76.9 9.8,75.9 9.8,72.95 11.5,71.25 15.05,71.25 16.35,69.95 22.4,69.95 23.75,68.6 23.75,66.89 25.57,65.08 U5.43 30.27,65.08 33.85,68.66 U5.59
USBPD_CC2: length 37.5
  Top w0.3: v1(8.95,79.55) 9.15,79.35 v1(9.15,77.8)
  Bottom w0.3: U5.57 32.85,68.33 30.1,65.58 U5.44 25.74,65.58 24.22,67.09 24.22,68.79 22.59,70.42 16.55,70.42 15.25,71.72 11.69,71.72 10.28,73.14 10.28,76.72 9.2,77.8 v1(9.15,77.8) ; J13.B5 8.6,79.9 v1(8.95,79.55)
USBPD_D+: length 30.6
  Bottom w0.2: U5.46 25.92,66.58 25.03,67.47 25.03,69.12 22.92,71.22 16.88,71.22 15.58,72.53 12.03,72.53 11.08,73.48 11.08,77.36 9.53,78.9 J13.B6 6.62,78.9 6.55,78.83 6.55,77.97 6.62,77.9 J13.A6
USBPD_D-: length 30.7
  Bottom w0.2: U5.45 25.84,66.08 24.65,67.26 24.65,68.97 22.77,70.85 16.72,70.85 15.42,72.15 11.87,72.15 10.7,73.32 10.7,77.2 9.5,78.4 J13.A7 8.47,78.4 8.55,78.33 8.55,77.47 8.47,77.4 J13.B7
uSD_CLK: length 11.3
  Bottom w0.4: U4.8 47.17,18.05 41.72,18.05 38.7,21.07 J17.5
uSD_CMD: length 14.5
  Bottom w0.4: J17.3 36.5,20.1 40.05,16.55 47.4,16.55
uSD_D0: length 8.6
  Bottom w0.4: U4.9 47.16,18.75 43.65,18.75 40.9,21.5 J17.7
Net-(C1-Pad1): length 1.4
  Bottom w0.65: R3.2 C1.1
Net-(C16-Pad2): length 16.8
  Top w0.25: v1(80.6,42) 84.7,42 v1(84.75,41.95)
  Bottom w0.25: v1(80.6,42) 80.47,41.88 77.97,41.88 76.3,40.2 C16.2 ; v1(84.75,41.95) 84.8,42 89.78,42
Net-(C17-Pad2): length 21.3
  Top w0.25: v1(80.6,43.3) v1(84.55,43.3)
  Bottom w0.25: v1(80.6,43.3) 75.75,43.3 ; v1(84.55,43.3) 87.2,43.3 88.68,44.78 91.73,44.78 93.7,46.74 93.7,48.62
Net-(C19-Pad2): length 8.6
  Bottom w0.2: 86.55,40.3 93.2,40.3 94.57,38.92
Net-(C24-Pad1): length 40.7
  Bottom w0.25: C24.1 66.4,44.8 66.8,45.2 76.4,45.2 77.28,46.08 77.28,49.28 80.02,52.03 87.72,52.03 88,52.3 88,54.9 89.12,56.02 91.85,56.02 94.57,58.74 J3.R
Net-(C62-Pad1): length 28.1
  Bottom w0.25: J3.T 90.28,52 89.88,51.6 80.2,51.6 77.7,49.1 77.7,45.9 76.58,44.78 69.53,44.78 C62.1
Net-(D14-K): length 3
  Bottom w0.2: 82.49,72.49 R6.2
Net-(D15-DIN): length 6.1
  Bottom w0.2: 55.86,60.36 55.39,60.36 54.35,59.32 54.35,56.42 53.82,55.9 53.3,55.9
Net-(D15-DOUT): length 6.1
  Bottom w0.2: 51.3,60.4 50.82,60.4 49.8,59.38 49.8,56.53 49.22,55.95 48.82,55.95 48.74,55.96
Net-(D16-DOUT): length 6.2
  Bottom w0.2: 46.67,60.36 46.6,60.37 46.2,60.37 45.25,59.43 45.25,56.43 44.27,55.45 44.25,55.45
Net-(D17-DOUT): length 14.1
  Top w0.25: 34.13,50.41 39.9,56.18 v1(39.9,57.5)
  Bottom w0.3: 42.45,60.39 42.17,60.39 42.1,60.4 41.99,60.39 41.29,60.39 40.85,59.95 40.85,58.45 v1(39.9,57.5)
Net-(D19-K): length 0.7
  Bottom w0.3: 23.39,73.8 22.65,73.8
Net-(D20-K): length 1.6
  Bottom w0.2: D20.1 58.52,61.1 ; C45.2 57.87,61.12
Net-(D21-DIN): length 8.1
  Top w0.2: v1(64.6,55.25) 63.95,54.6 v1(57.9,54.6)
  Bottom w0.2: v1(64.6,55.25) 64.89,55.25 R70.1 ; v1(57.9,54.6) 57.9,55.05
Net-(J1-Pin_1): length 1.4
  Bottom w0.2: R16.1 8.19,54.64
Net-(J1-Pin_2): length 1.5
  Bottom w0.3: R14.1 8.69,50 8,50.69
Net-(J1-Pin_3): length 1.4
  Bottom w0.3: R10.1 8,47.19
Net-(J5-CC1): length 1.5
  Bottom w0.2: J5.A5 R18.1
